# Altium PCB NC1-1A-BASIS.PcbDoc (part 2 of 2) (continued)
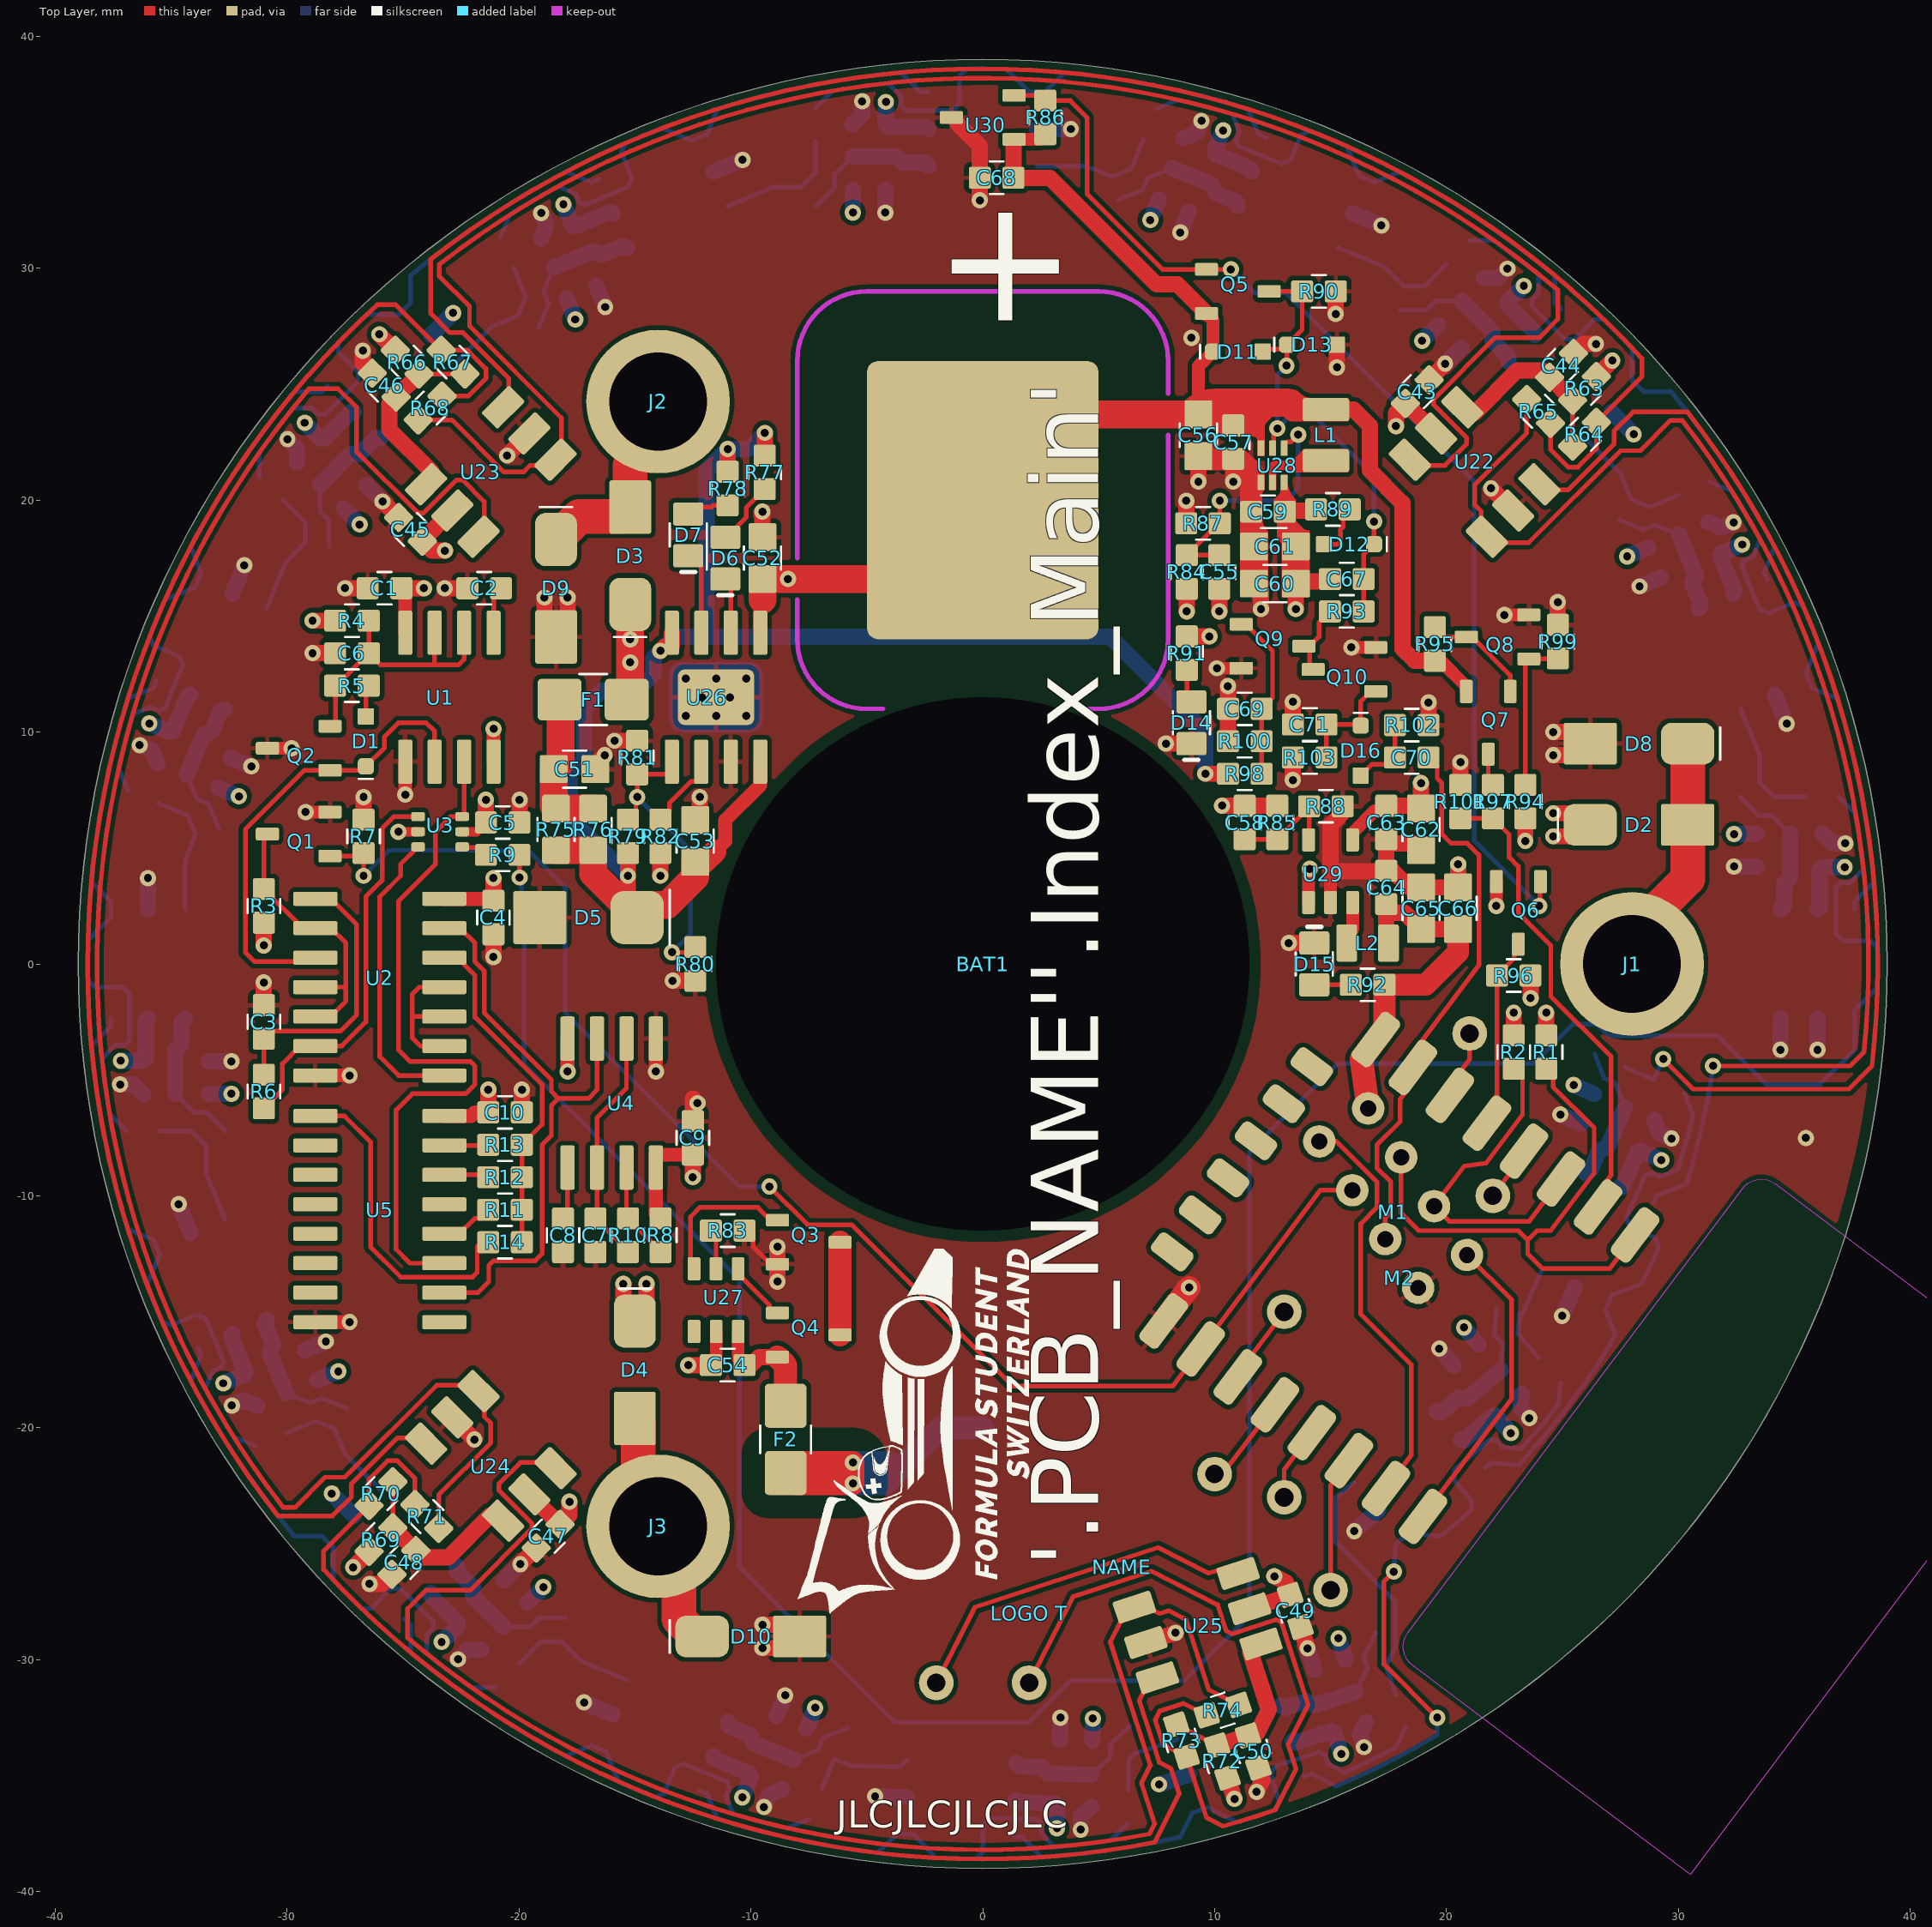
[diagram p0: Top Layer view]
## Nets (pads, with @x,y where several pads share a name; then routed paths per layer and width w, separated by ;. In a path a pad name is that pad's centre, name@x,y a point inside that pad or via, vN(x,y) a via of type N, cw(c..) or ccw(c..) an arc to the next point about the centre after c; other vN are vias at no path point) (continued)
D20: TP1.1 U25.3 | length 15.8
  Top Layer w0.2: TP1.1@-2,-31 -0.335,-27.733 7.565,-25.167 9.741,-26.276 10.507,-26.027 U25.3@11.011,-26.284
DATA: M1.3 M2.16 Q1.1@-28.15,4.65 R7.2 | length 62.5
  Top Layer w0.2: Q1.1@-28.15,4.65 -26.825,4.65 R7.2@-26.7,4.775 v1(-26.7,3.8) ; v1(-9.2,-9.6) -7.55,-11.25 -5.65,-11.25 1.3,-18.2 8.198,-18.2 M2.16@9.402,-16.601 14.56,-9.757 M1.3@15.937,-9.757
  Bottom Layer w0.2: v1(-26.7,3.8) -25.6,4.9 -19.6,4.9 -18,3.3 -18,-2.1 -10.5,-9.6 v1(-9.2,-9.6)
DATA_5V: Q1.3 R3.2 U2.2 U2.4 U2.5 | length 12.4
  Top Layer w0.2: Q1.3@-30.85,5.6 -31,5.45 R3.2@-31,3.225 -29.315,1.54 U2.2@-28.78,1.54 -28.1,1.54 -27.46,0.9 -27.46,-1 ; U2.5@-28.78,-2.27 -28.13,-2.27 -27.46,-1.6 -27.46,-1 ; U2.4@-28.78,-1 -27.46,-1
DATA_FAILSAFE: R9.2 R17.1 U6.4 | length 125.2
  Top Layer w0.2: v1(-19.975,3.725) R9.2@-19.975,4.7
  Bottom Layer w0.2: v1(-19.975,3.725) -19.879,3.629 -19.879,3.079 -19.775,2.975 -19.775,-4.325 -10.5,-13.6 -10.5,-26 -3.8,-32.7 2,-32.7 3.8,-30.9 8.7,-30.9 11.5,-28.1 11.5,-8.1 15.3,-4.3 23.75,-4.3 25.45,-2.6 26.5,-2.6 27,-3.1 31.7,-3.1 33.8,-5.2 36.1,-5.2 37.6,-3.7 U6.4@37.6,-2.35 37.6,-2 38.587,-1.013 ccw(c0,0) 38.594,0.706 38.3,1 37.1,1 36.8,1.3 36.8,3.3 37,3.5 37.4,3.5 37.981,4.081 ccw(c0,0) 37.647,6.478 R17.1@36.925,7.2
EN: C67.1 D11.2 D12.1 D13.1 Q5.3 R90.1 R93.1 U28.2 | length 21.5
  Top Layer w0.2: D11.2@12.075,26.4 12.175,26.5 12.925,26.5 D13.1@13.125,26.7 ; Q5.3@12.35,29 13.6,29 R90.1@13.775,29 13.775,27.35 D13.1@13.125,26.7 ; U28.2@12.5,22.24 12.55,22.29 12.55,22.8 12.707,22.958 v1(12.707,23.093) ; v1(13.1,25.8) 13.125,25.825 D13.1@13.125,26.7 ; R93.1@16.425,15.2 C67.1@16.425,16.6 16.425,17.65 D12.1@16.875,18.1 v1(16.875,19.075)
  Bottom Layer w0.2: v1(13.1,25.8) 12.707,25.407 v1(12.707,23.093) 13.414,23.8 14.1,23.8 16.875,21.025 v1(16.875,19.075)
ESP_EN: M1.6 M2.3 R2.2 | length 14.5
  Top Layer w0.2: R2.2@22.9,-4.525 23.28,-4.905 23.28,-6.498 21.707,-8.585 20.763,-8.718 M1.6@19.463,-10.443 20.12,-11.1 23.565,-11.1 M2.3@24.939,-9.277
ESP_RST: M1.7 M2.1 R1.2 | length 24.2
  Top Layer w0.2: M1.7@18.043,-8.337 18.043,-10.743 18.8,-11.5 23.1,-11.5 23.5,-11.9 ; R1.2@24.3,-4.525 24.6,-4.825 24.6,-5.3 26.366,-7.066 26.366,-9.017 24.496,-11.5 23.9,-11.5 23.5,-11.9 ; M2.1@28.134,-11.684 27.044,-13.13 24.13,-13.13 23.5,-12.5 23.5,-11.9
FS_ACT/: U1.3 U3.6 U5.11 | length 30.5
  Top Layer w0.2: U5.11@-23.22,-12.905 -24.7,-12.905 -25.3,-12.305 -25.3,-6.3 -24.6,-5.6 -22.3,-5.6 -21.9,-5.2 -21.9,-4.4 -22.1,-4.2 -24.7,-4.2 -25.2,-3.7 -25.2,2.7 -23.6,4.3 -23.6,5.7 -22.95,6.35 -22.365,6.35 U1.3@-22.365,8.72
FS_EDGE/: D1.1 Q2.1@-28.15,8.35 U1.2 U2.3 | length 20.4
  Top Layer w0.2: U2.3@-28.78,0.27 -28.95,0.1 -31.4,0.1 -31.8,0.5 -31.8,5.8 -29.25,8.35 Q2.1@-28.15,8.35 -26.775,8.35 D1.1@-26.6,8.525 -25.8,9.325 -25.8,9.8 -25.2,10.4 -24,10.4 -23.635,10.035 U1.2@-23.635,8.72
FS_PULSE: U2.13 U4.3 U5.10 | length 26.1
  Top Layer w0.2: U5.10@-23.22,-14.175 -21.775,-14.175 -21.3,-13.7 -21.3,-13 -21.1,-12.8 -19.3,-12.8 -19,-12.5 -19,-7.8 -18.6,-7.4 -18.6,-6.1 -18.3,-5.8 ; U2.13@-23.22,1.54 -22.54,1.54 -21.9,0.9 -21.9,0.1 -21.5,-0.3 -21.5,-2.1 -18.6,-5 -18.6,-5.5 -18.3,-5.8 ; U4.3@-16.635,-3.22 -16.635,-5.435 -17,-5.8 -18.3,-5.8
FS_RESET/: R11.2 R12.2 R13.2 R14.2 U2.12 | length 14.7
  Top Layer w0.2: U2.12@-23.22,0.27 -22.67,0.27 -21.9,-0.5 -21.9,-2.3 -19,-5.2 -19,-6.925 R13.2@-19.875,-7.8 R12.2@-19.875,-9.2 R11.2@-19.875,-10.6 R14.2@-19.875,-12
GND: C1.2 C2.2 C3.2 C4.2 C5.2 C6.2 C7.2 C8.2 C9.2 C10.2 C11.2 C12.2 C13.2 C14.2 C15.2 C16.2 C17.2 C18.2 C19.2 C20.2 C21.2 C22.2 C23.2 C24.2 C25.2 C26.2 C27.2 C28.2 C29.2 C30.2 C31.2 C32.2 C33.2 C34.2 C35.2 C36.2 C37.2 C38.2 C39.2 C40.2 C41.2 C42.2 C43.2 C44.2 C45.2 C46.2 C47.2 C48.2 C49.2 C50.2 C51.2 C52.2 C53.2 C56.2 C57.1 C59.1 C60.2 C61.2 C62.2 C63.1 C64.1 C65.2 C66.2 C68.2 C69.2 C71.2 D5.2 D8.2 D9.2 D10.2 D13.2 D14.1 D15.1 M1.1@18.778,-13.969 M2.15 Q1.2 Q2.3 Q3.2 Q8.2 Q9.2 Q10.2 R7.1 R80.2 R81.2 R82.2 R83.2 R87.1 R88.2 R90.2 R96.2 R99.2 R100.2 R101.2 R102.2 R103.2 U1.1@-24.905,8.72 U2.7 U3.2 U4.1@-14.095,-3.22 U5.8 U6.5 U6.6 U7.5 U8.5 U9.5 U10.5 U11.5 U12.5 U13.5 U14.5 U15.5 U16.5 U17.5 U18.5 U19.5 U20.5 U21.5 U22.5 U23.5 U24.5 U25.5 U26.3 U26.EP U28.4 U29.2 U30.3 | length 158.1
  Top Layer w0.2: R83.2@-10.275,-11.5 -9.9,-11.875 -9.9,-12.2 -9.15,-12.95 Q3.2@-8.85,-12.95
  Top Layer w0.4: v1(-25.2,5.7) U3.2@-24.35,5.7
  Top Layer w0.55: Q2.3@-30.85,9.3 v1(-29.8,9.3) ; v1(-29.2,6.55) Q1.2@-28.15,6.55 ; U30.3@-1.35,36.5 -1.05,36.2 ; v1(10.1,12.75) Q9.2@11.15,12.75 ; U29.2@15,2.65 15,4 ; v1(15.9,13.65) Q10.2@16.95,13.65 ; v1(22.5,15.05) Q8.2@23.55,15.05
  Top Layer w0.6: U5.8@-28.78,-15.445 v1(-27.3,-15.445) ; U2.7@-28.78,-4.81 v1(-27.3,-4.81) ; v1(-24.905,7.3) U1.1@-24.905,8.72 ; v1(-14.095,-4.64) U4.1@-14.095,-3.22
  Top Layer w0.7: C3.2@-31,-1.775 v1(-31,-0.8) ; v1(-28.9,13.4) C6.2@-27.925,13.4 ; v1(-27.5,16.2) C1.2@-26.525,16.2 ; v1(-26.729,26.446) -26.729,25.88 C46.2@-26.322,25.474 ; R7.1@-26.7,6.225 v1(-26.7,7.2) ; v1(-26.446,-26.729) -25.88,-26.729 C48.2@-25.474,-26.322 ; v1(-25.88,19.94) C45.2@-25.191,19.251 ; v1(-23.2,16.2) C2.2@-22.225,16.2 ; U24.5@-22.875,-19.552 v1(-21.92,-20.506) ; v1(-21.1,0.3) C4.2@-21.1,1.275 ; v1(-20.506,21.92) U23.5@-19.552,22.875 ; C5.2@-19.975,6.1 v1(-19.975,7.075) ; v1(-19.94,-25.88) C47.2@-19.251,-25.191 ; C10.2@-19.875,-6.4 v1(-19.875,-5.425) ; v1(-18.9,15.8) -18.9,14.6 D9.2@-18.4,14.1 -17.9,14.6 v1(-17.9,15.8) ; C51.2@-16.7,8.4 -16.627,8.473 -16.627,8.673 v1(-16.3,9) ; v1(-15.875,9.625) R81.2@-14.9,9.625 ; v1(-13.9,3.8) R82.2@-13.9,4.775 ; v1(-13.375,-0.725) R80.2@-12.4,-0.725 ; v2(-12.8,10.7) U26.EP@-12,11.5 ; v2(-12.8,12.3) U26.EP@-12,11.5 ; C9.2@-12.5,-6.775 v1@-12.5,-5.8 ; C53.2@-12.4,6.2 -12.2,6.4 v1(-12.2,7.2) ; v2(-11.5,10.7) U26.EP@-11.5,11.5 ; v2(-11.5,12.3) U26.EP@-11.5,11.5 ; v2(-10.2,10.7) U26.EP@-11,11.5 ; v2(-10.2,12.3) U26.EP@-11,11.5 ; v1(-9.5,-29.5) -8.4,-29.5 D10.2@-7.9,-29 -8.4,-28.5 v1(-9.5,-28.5) ; C52.2@-9.5,18.4 v1(-9.5,19.5) ; v1(-8.85,-13.7) Q3.2@-8.85,-12.95 v1(-8.85,-12.2) ; -1.05,36.2 -0.125,35.275 C68.2@-0.125,33.9 v1(-0.125,32.925) ; U25.5@7.036,-29.258 v1(8.319,-28.841) ; v1(7.9,9.5) D14.1@9,9.5 ; R87.1@8.775,19 v1(8.775,19.975) ; v1(9.3,20.8) C56.2@9.3,21.9 ; R100.2@10.575,9.6 C69.2@10.575,11 v1(10.575,11.975) ; v1(10.8,20.8) C57.1@10.8,21.775 ; C61.2@11.7,18 C60.2@11.7,16.4 12,16.1 v1(12,15.3) ; v1(11.809,-35.698) 12.066,-35.194 C50.2@11.888,-34.647 ; v1(13.2,0.9) D15.1@14.3,0.9 ; v1(13.375,7.925) R103.2@13.375,8.9 ; C71.2@13.375,10.325 v1(13.375,11.3) ; C49.2@13.705,-28.589 v1(14.007,-29.516) ; v1(15.225,28.025) R90.2@15.225,29 ; v1(15.275,25.725) D13.2@15.275,26.7 ; R88.2@15.525,6.8 15.525,6.525 15,6 15,4 C64.1@17.375,4 ; C62.2@18.9,4.9 18.6,5.2 17.575,5.2 C63.1@17.4,5.375 C64.1@17.4,4.025 17.675,4.025 18.4,3.3 C65.2@18.9,3.3 C66.2@20.5,3.3 v1(20.5,4.3) ; R102.2@19.225,10.3 v1(19.225,11.275) ; C43.2@19.251,25.191 v1(19.94,25.88) ; R101.2@20.6,7.725 v1(20.6,8.7) ; v1(21.92,20.506) U22.5@22.875,19.552 ; v1(23.625,-1.475) R96.2@23.625,-0.5 ; v1(24.6,9) 25.7,9 D8.2@26.2,9.5 25.7,10 v1(24.6,10) ; R99.2@24.8,14.625 v1(24.8,15.6) ; C44.2@25.474,26.322 25.88,26.729 v1(26.446,26.729) ; U26.EP@-12,11.5 U26.EP@-11.5,11.5 ; U26.EP@-11.5,11.5 U26.EP@-11,11.5
  Top Layer w1: M2.15@7.805,-15.398 v1(8.895,-13.952)
  Bottom Layer w0.7: v1(-37.2,-5.2) -36.625,-5.2 C27.2@-36.2,-5.625 ; v1(-36.358,9.432) -35.827,9.212 C25.2@-35.597,8.656 ; U14.5@-36,2.35 v1(-36,3.7) ; v1(-34.676,-10.358) U15.5@-34.159,-11.605 ; C28.2@-33.375,-4.2 v1(-32.4,-4.2) ; C26.2@-32.442,8.892 v1(-31.541,8.519) ; v1(-32.378,-19.04) -31.847,-18.82 C29.2@-31.292,-19.05 ; U13.5@-32.36,15.948 v1(-31.844,17.195) ; v1(-29.981,22.627) -29.575,22.221 C23.2@-29.575,21.62 ; C30.2@-29.227,-16.652 v1(-28.326,-16.279) ; v1(-28.072,-22.84) U16.5@-27.118,-23.794 ; C24.2@-26.57,20.63 v1(-25.88,19.94) ; U12.5@-23.794,27.118 v1(-22.84,28.072) ; v1(-22.627,-29.981) -22.221,-29.575 C31.2@-21.62,-29.575 ; C32.2@-20.63,-26.57 v1(-19.94,-25.88) ; C21.2@-19.05,31.292 -18.82,31.847 v1(-19.04,32.378) ; v1(-17.195,-31.844) U17.5@-15.948,-32.36 ; C22.2@-16.652,29.227 v1(-16.279,28.326) ; U11.5@-11.605,34.159 v1(-10.358,34.676) ; v1(-9.432,-36.358) -9.212,-35.827 C33.2@-8.656,-35.597 ; C34.2@-8.892,-32.442 v1(-8.519,-31.541) ; C19.2@-5.625,36.2 -5.2,36.625 v1(-5.2,37.2) ; v1(-4.641,-35.891) U18.5@-3.292,-35.926 ; v1(-4.2,32.4) C20.2@-4.2,33.375 ; U10.5@2.35,36 v1(3.8,36) ; C36.2@3.325,-33.474 v1(3.35,-32.499) ; v1(4.224,-37.323) 4.239,-36.749 C35.2@4.675,-36.335 ; v1(7.606,-35.381) U19.5@8.89,-34.964 ; v1(8.519,31.541) C18.2@8.892,32.442 ; C17.2@8.656,35.597 9.212,35.827 v1(9.432,36.358) ; v1(14.007,-29.516) C38.2@14.308,-30.444 ; U9.5@15.948,32.36 v1(17.195,31.844) ; v1(16.02,-24.455) U20.5@17.047,-23.578 ; v1(16.441,-33.772) 16.263,-33.226 C37.2@16.536,-32.69 ; v1(19.69,-16.587) C40.2@20.323,-17.328 ; v1(19.94,25.88) C16.2@20.63,26.57 ; C15.2@21.62,29.575 22.221,29.575 v1(22.627,29.981) ; C39.2@23.241,-18.551 23.194,-19.15 v1(23.567,-19.587) ; v1(24.912,-6.494) C42.2@25.803,-6.891 ; v1(24.988,-15.175) U21.5@25.537,-13.942 ; U8.5@27.118,23.794 v1(28.072,22.84) ; v1(28.326,16.279) C14.2@29.227,16.652 ; C41.2@28.963,-6.738 29.179,-7.299 v1(29.704,-7.533) ; C13.2@31.292,19.05 31.847,18.82 v1(32.378,19.04) ; v1(32.4,4.2) C12.2@33.375,4.2 ; U7.5@34.159,11.605 v1(34.676,10.358) ; v1(34.4,-3.7) U6.6@34.4,-2.35 ; v1(36,-3.7) U6.5@36,-2.35 ; C11.2@36.2,5.625 36.625,5.2 v1(37.2,5.2)
  other v1: 35.5,-7.5 -12.3,-6 9,27
  other v2: -12.1,11.5 -10.9,11.5
GPIO0: M2.18 TP3.1 | length 4.1
  Top Layer w0.2: TP3.1@10,-22 10.383,-21.946 M2.18@12.597,-19.009
GPIO2: M2.17 TP4.1 | length 3.5
  Top Layer w0.2: M2.17@11,-17.805 10.982,-17.678 TP4.1@13,-15
GPIO4: M2.19 TP5.1 | length 3.2
  Top Layer w0.2: TP5.1@13,-23 13,-21.797 M2.19@14.194,-20.212
GPIO5: M2.20 TP6.1 | length 5.8
  Top Layer w0.2: TP6.1@15,-27 15,-22.466 M2.20@15.791,-21.416
GPIO14: M2.6 TP9.1 | length 3
  Top Layer w0.2: M2.6@20.147,-5.666 20.098,-5.316 21,-4.119 TP9.1@21,-3
GPIO16: M2.4 TP10.1 | length 2.4
  Top Layer w0.2: TP10.1@22,-10 23.359,-8.196 M2.4@23.342,-8.073
HALL: M2.5 Q6.3 R96.1 | length 8.3
  Top Layer w0.2: M2.5@21.744,-6.869 21.668,-6.323 22.175,-5.65 R96.1@22.175,-0.5 22.925,0.25 22.925,0.675 Q6.3@23.1,0.85
KILL: C70.1 M1.2 M2.7 | length 24
  Top Layer w0.2: M1.2@17.357,-11.863 17.357,-10.943 17.6,-10.7 17.6,-9.4 17,-8.8 17,-7.8 18,-6.8 18,-5.827 18.625,-4.997 M2.7@18.55,-4.462 18.475,-3.931 21.4,-0.05 21.4,4.7 20.9,5.2 20.2,5.2 19.8,5.6 19.8,7.8 19.6,8 19.6,8.525 C70.1@19.225,8.9
NetC2_1: C2.1 U1.5 | length 2.1
  Top Layer w0.2: U1.5@-21.095,14.28 -21.095,15.88 C2.1@-20.775,16.2
NetC3_1: C3.1 R6.2 U2.1@-28.78,2.81 | length 12.1
  Top Layer w0.2: R6.2@-31,-4.775 C3.1@-31,-3.225 -30.675,-2.9 -27.7,-2.9 -27,-2.2 -27,1.7 -28.11,2.81 U2.1@-28.78,2.81
NetC6_1: C6.1 Q2.2 R4.2 R5.2 U1.6 U1.7 | length 12.3
  Top Layer w0.2: Q2.2@-28.15,10.25 -28.088,10.25 -27.913,10.425 -27.913,11.988 R5.2@-27.925,12 ; R5.2@-27.925,11.95 C6.1@-26.475,13.4 ; R4.2@-26.475,14.8 C6.1@-26.475,13.4 ; U1.7@-23.635,14.28 -23.635,12.9 ; U1.6@-22.365,14.28 -22.365,13.135 -22.6,12.9 -23.635,12.9 ; C6.1@-26.475,13.4 -25.975,12.9 -23.635,12.9
NetC7_1: C7.1 R10.2 U4.2 U4.6 | length 10.3
  Top Layer w0.2: U4.2@-15.365,-3.22 -15.365,-5.365 -16.635,-6.635 U4.6@-16.635,-8.78 -16.635,-10.91 C7.1@-16.7,-10.975 -15.3,-12.375 R10.2@-15.3,-12.425
NetC8_1: C8.1 U4.5 | length 2.3
  Top Layer w0.2: C8.1@-18.1,-10.975 -17.905,-10.78 U4.5@-17.905,-8.78
NetC12_1: C12.1 R15.2 R16.1 U6.1@34.4,2.35 | length 6.2
  Bottom Layer w0.2: R16.1@32.675,7.2 33.475,6.4 34.025,6.4 R15.2@34.825,5.6
  Bottom Layer w0.7: U6.1@34.4,2.35 34.55,2.5 34.55,3.45 34.825,3.725 R15.2@34.825,5.6
NetC14_1: C14.1 R18.2 R19.1 U7.1@30.882,15.335 | length 6.2
  Bottom Layer w0.2: R19.1@27.432,19.156 28.478,18.723 28.986,18.934 R18.2@30.031,18.501
  Bottom Layer w0.7: R18.2@30.031,18.501 30.749,16.768 30.6,16.409 30.963,15.531 U7.1@30.882,15.335
NetC16_1: C16.1 R21.2 R22.1 U8.1@22.663,25.986 | length 6.2
  Bottom Layer w0.2: R22.1@18.014,28.196 19.145,28.196 19.534,28.585 R21.2@20.665,28.585
  Bottom Layer w0.7: R21.2@20.665,28.585 21.991,27.259 21.991,26.87 22.663,26.198 U8.1@22.663,25.986
NetC18_1: C18.1 R24.2 R25.1 U9.1@10.993,32.681 | length 6.2
  Bottom Layer w0.2: R25.1@5.852,32.943 6.898,33.376 7.108,33.884 R24.2@8.153,34.317
  Bottom Layer w0.7: R24.2@8.153,34.317 9.885,33.6 10.034,33.24 10.912,32.877 U9.1@10.993,32.681
NetC20_1: C20.1 R27.2 R28.1 U10.1@-2.35,34.4 | length 6.2
  Bottom Layer w0.2: R28.1@-7.2,32.675 -6.4,33.475 -6.4,34.025 R27.2@-5.6,34.825
  Bottom Layer w0.7: R27.2@-5.6,34.825 -3.725,34.825 -3.45,34.55 -2.5,34.55 U10.1@-2.35,34.4
NetC22_1: C22.1 R30.2 R31.1 U11.1@-15.335,30.882 | length 6.2
  Bottom Layer w0.2: R31.1@-19.156,27.432 -18.723,28.478 -18.934,28.986 R30.2@-18.501,30.031
  Bottom Layer w0.7: R30.2@-18.501,30.031 -16.768,30.749 -16.409,30.6 -15.531,30.963 U11.1@-15.335,30.882
NetC24_1: C24.1 R33.2 R34.1 U12.1@-25.986,22.663 | length 6.2
  Bottom Layer w0.2: R33.2@-28.585,20.665 -28.585,19.534 -28.196,19.145 R34.1@-28.196,18.014
  Bottom Layer w0.7: R33.2@-28.585,20.665 -27.259,21.991 -26.87,21.991 -26.198,22.663 U12.1@-25.986,22.663
NetC26_1: C26.1 R36.2 R37.1 U13.1@-32.681,10.993 | length 6.2
  Bottom Layer w0.2: R36.2@-34.317,8.153 -33.884,7.108 -33.376,6.898 R37.1@-32.943,5.852
  Bottom Layer w0.7: R36.2@-34.317,8.153 -33.6,9.885 -33.24,10.034 -32.877,10.912 U13.1@-32.681,10.993
NetC28_1: C28.1 R39.2 R40.1 U14.1@-34.4,-2.35 | length 6.2
  Bottom Layer w0.2: R39.2@-34.825,-5.6 -34.025,-6.4 -33.475,-6.4 R40.1@-32.675,-7.2
  Bottom Layer w0.7: R39.2@-34.825,-5.6 -34.825,-3.725 -34.55,-3.45 -34.55,-2.5 U14.1@-34.4,-2.35
NetC30_1: C30.1 R42.2 R43.1 U15.1@-30.882,-15.335 | length 6.2
  Bottom Layer w0.2: R42.2@-30.031,-18.501 -28.986,-18.934 -28.478,-18.723 R43.1@-27.432,-19.156
  Bottom Layer w0.7: U15.1@-30.882,-15.335 -30.963,-15.531 -30.6,-16.409 -30.749,-16.768 R42.2@-30.031,-18.501
NetC32_1: C32.1 R45.2 R46.1 U16.1@-22.663,-25.986 | length 6.2
  Bottom Layer w0.2: R45.2@-20.665,-28.585 -19.534,-28.585 -19.145,-28.196 R46.1@-18.014,-28.196
  Bottom Layer w0.7: U16.1@-22.663,-25.986 -22.663,-26.198 -21.991,-26.87 -21.991,-27.259 R45.2@-20.665,-28.585
NetC34_1: C34.1 R48.2 R49.1 U17.1@-10.993,-32.681 | length 6.2
  Bottom Layer w0.2: R48.2@-8.153,-34.317 -7.108,-33.884 -6.898,-33.376 R49.1@-5.852,-32.943
  Bottom Layer w0.7: U17.1@-10.993,-32.681 -10.912,-32.877 -10.034,-33.24 -9.885,-33.6 R48.2@-8.153,-34.317
NetC36_1: C36.1 R51.2 R52.1 U18.1@1.449,-34.45 | length 6.2
  Bottom Layer w0.2: R51.2@4.686,-34.96 5.507,-34.181 5.522,-33.631 R52.1@6.342,-32.852
  Bottom Layer w0.7: U18.1@1.449,-34.45 1.595,-34.604 2.544,-34.628 2.812,-34.911 R51.2@4.686,-34.96
NetC38_1: C38.1 R54.2 R55.1 U19.1@12.865,-31.99 | length 6.2
  Bottom Layer w0.2: R54.2@16.087,-31.39 16.601,-30.382 16.431,-29.859 R55.1@16.945,-28.851
  Bottom Layer w0.7: U19.1@12.865,-31.99 13.054,-32.086 13.958,-31.793 14.304,-31.969 R54.2@16.087,-31.39
NetC40_1: C40.1 R57.2 R58.1 U20.1@19.582,-19.309 | length 6.2
  Bottom Layer w0.2: R58.1@22.15,-14.847 22.061,-15.975 22.418,-16.394 R57.2@22.329,-17.521
  Bottom Layer w0.7: U20.1@19.582,-19.309 19.793,-19.326 20.516,-18.709 20.903,-18.739 C40.1@21.265,-18.431 R57.2@22.329,-17.521
NetC42_1: C42.1 R60.2 R61.1 U21.1@25.987,-8.998 | length 6.2
  Bottom Layer w0.2: R61.1@26.384,-3.865 26.789,-4.922 27.292,-5.145 R60.2@27.697,-6.202
  Bottom Layer w0.7: U21.1@25.987,-8.998 26.185,-8.922 26.571,-8.054 26.935,-7.914 R60.2@27.697,-6.202
NetC44_1: C44.1 R63.2 R64.1 U22.1@20.683,24.006 | length 8.1
  Top Layer w0.2: R64.1@25.438,22.327 25.438,22.857 R63.2@25.438,24.307
  Top Layer w0.7: U22.1@20.683,24.006 20.93,23.759 21.213,23.759 23.052,25.597 24.148,25.597 C44.1@24.448,25.297 R63.2@25.438,24.307
NetC46_1: C46.1 R66.2 R67.1 U23.1@-24.006,20.683 | length 8.1
  Top Layer w0.2: R66.2@-24.307,25.438 -22.857,25.438 R67.1@-22.327,25.438
  Top Layer w0.7: R66.2@-24.307,25.438 C46.1@-25.297,24.448 -25.597,24.148 -25.597,23.052 -23.759,21.213 -23.759,20.93 U23.1@-24.006,20.683
NetC48_1: C48.1 R69.2 R70.1 U24.1@-20.683,-24.006 | length 8.1
  Top Layer w0.2: R69.2@-25.438,-24.307 -25.438,-22.857 R70.1@-25.438,-22.327
  Top Layer w0.7: R69.2@-25.438,-24.307 C48.1@-24.448,-25.297 -24.148,-25.597 -23.052,-25.597 -21.213,-23.759 -20.93,-23.759 U24.1@-20.683,-24.006
NetC50_1: C50.1 R72.2 R73.1 U25.1@12,-29.327 | length 8.1
  Top Layer w0.2: R73.1@8.345,-32.802 8.817,-33.043 R72.2@10.109,-33.701
  Top Layer w0.7: R72.2@10.109,-33.701 C50.1@11.44,-33.268 11.845,-33.137 12.342,-32.16 11.539,-29.687 11.667,-29.435 U25.1@12,-29.327
NetC51_1: C51.1 F1.2 R75.1 R76.1 | length 6.5
  Top Layer w1.2: F1.2@-18.25,11.4 -18.25,11.15 -18.2,11.1 -18.2,8.7 C51.1@-18.5,8.4 -18.5,6.8 R75.1@-18.4,6.7 R76.1@-16.8,6.7
NetC69_1: C69.1 Q9.1@11.15,14.65 R98.2 R100.1 | length 7.3
  Top Layer w0.2: Q9.1@11.15,14.65 11.35,14.65 12.5,13.5 12.5,11.475 C69.1@12.025,11 R100.1@12.025,9.6 R98.2@12.025,8.2
NetC70_2: C70.2 D16.2 R102.1 | length 3.2
  Top Layer w0.2: D16.2@16.3,8.125 16.775,8.6 17.475,8.6 C70.2@17.775,8.9 R102.1@17.775,10.3
NetC71_1: C71.1 D16.1 Q10.1@16.95,11.75 R103.1 | length 4.8
  Top Layer w0.2: R103.1@14.825,8.9 C71.1@14.825,10.325 16.25,10.325 D16.1@16.3,10.275 16.3,11.325 16.725,11.75 Q10.1@16.95,11.75
NetD1_2: D1.2 R5.1 | length 1.4
  Top Layer w0.2: D1.2@-26.6,10.675 -26.6,11.875 R5.1@-26.475,12
NetD2_1: D2.1 D3.1 D4.1 F1.1 | length 96.1
  Top Layer w0.7: v1(-15.5,-13.8) -15.5,-14.9 D4.1@-15,-15.4 -14.5,-14.9 v1(-14.5,-13.8) ; v1(24.6,5.5) 25.7,5.5 D2.1@26.2,6 25.7,6.5 v1(24.6,6.5)
  Top Layer w1.2: F1.1@-15.35,11.4 -15.2,11.55 v1(-15.2,13) v1(-15.2,14) D3.1@-15.2,15.5
  Mid 2 (PWR) w1.2: v1(-15.5,-13.8) v1(-14.5,-13.8) -10.7,-10 -10.7,-7.803 -11.403,-7.1 -12.756,-7.1 -13.4,-6.456 -13.4,-5.501 -12.995,-5.096 -12.995,-3.705 -17.9,1.2 -17.9,10.3 v1(-15.2,13) v1@-15.2,13.897 ; v1(-15.2,14) -14.6,14.6 5,14.6 12.9,6.7 12.9,3.6 13.6,2.9 15.3,2.9 18.9,6.5 v1(24.6,6.5) v1(24.6,5.5)
NetD6_2: D6.2 R77.2 | length 2.8
  Top Layer w0.2: D6.2@-11.1,18.4 -11.05,18.4 -10.2,19.25 -10.2,19.675 R77.2@-9.4,20.475
NetD7_2: D7.2 R78.2 | length 1.9
  Top Layer w0.2: D7.2@-12.7,19.4 -12.4,19.7 -11.7,19.7 -11.625,19.775 R78.2@-11,19.775
NetD12_2: D12.2 R89.1 | length 2.3
  Top Layer w0.2: D12.2@14.725,18.1 15.308,18.1 15.425,18.217 15.425,18.725 15.55,18.85 15.55,19.325 R89.1@15.825,19.6
NetD14_2: D14.2 R91.2 | length 1.5
  Top Layer w0.2: R91.2@8.8,12.675 8.815,12.66 8.815,11.515 8.8,11.5 D14.2@9,11.3
NetD15_2: D15.2 R92.2 | length 1.6
  Top Layer w0.2: D15.2@14.3,-0.9 R92.2@15.875,-0.9
NetQ3_3: Q3.3 Q4.3 | length 4
  Top Layer w1: Q4.3@-6.15,-16 Q3.3@-6.15,-12
NetQ5_1: Q5.1@9.65,29.95 Q6.1@24.05,3.55 R86.2 U30.2 | length 49.2
  Top Layer w0.2: U30.2@1.35,37.45 2.475,37.45 R86.2@2.7,37.225 3.775,37.225 4.5,36.5 4.5,33.2 7.75,29.95 Q5.1@9.65,29.95 v1(10.7,29.95) ; v1(24,2.5) 24.025,2.525 24.025,3.525 Q6.1@24.05,3.55
  Bottom Layer w0.2: v1(10.7,29.95) 11.7,28.95 13.05,28.95 21.2,20.8 21.2,5.3 v1(24,2.5)
NetQ7_1: Q7.1@22.75,11.75 Q8.3 R95.2 | length 4.8
  Top Layer w0.2: R95.2@19.5,14.525 19.925,14.1 Q8.3@20.85,14.1 21.1,14.1 22.75,12.45 Q7.1@22.75,11.75
NetQ7_3: Q7.3 R97.1 | length 1.4
  Top Layer w0.2: Q7.3@21.8,9.05 21.8,7.925 R97.1@22,7.725
NetQ8_1: Q8.1@23.55,13.15 R94.2 R99.1 | length 6.7
  Top Layer w0.2: R94.2@23.4,7.725 23.4,13 Q8.1@23.55,13.15 24.775,13.15 R99.1@24.8,13.175
NetQ9_3: Q9.3 Q10.3 R93.2 | length 3.3
  Top Layer w0.2: Q10.3@14.25,12.7 14.1,12.85 14.1,13.45 Q9.3@13.85,13.7 14.1,13.7 14.5,14.1 14.5,14.725 R93.2@14.975,15.2
NetR6_1: R6.1 U2.6 U3.1@-24.35,6.35 | length 17
  Top Layer w0.2: R6.1@-31,-6.225 -30.2,-5.425 -30.2,-4.3 -29.44,-3.54 U2.6@-28.78,-3.54 -27.64,-3.54 -26.6,-2.5 -26.6,2.9 -25.9,3.6 -25.9,5.849 -25.399,6.35 U3.1@-24.35,6.35
NetR8_2: R8.2 R10.1 U4.7 | length 4.3
  Top Layer w0.2: U4.7@-15.365,-8.78 -15.365,-10.91 R10.1@-15.3,-10.975 -13.9,-12.375 R8.2@-13.9,-12.425
NetR9_1: R9.1 U3.4 | length 1.2
  Top Layer w0.2: U3.4@-22.45,5.05 -22.415,5.015 -21.74,5.015 R9.1@-21.425,4.7
NetR11_1: R11.1 U5.12 | length 2.3
  Top Layer w0.2: U5.12@-23.22,-11.635 -22.57,-11.635 -21.91,-10.975 -21.7,-10.975 R11.1@-21.325,-10.6
NetR12_1: R12.1 U5.14 | length 1.9
  Top Layer w0.2: U5.14@-23.22,-9.095 -21.43,-9.095 R12.1@-21.325,-9.2
NetR13_1: R13.1 U5.15 | length 1.9
  Top Layer w0.2: U5.15@-23.22,-7.825 -21.35,-7.825 R13.1@-21.325,-7.8
NetR14_1: R14.1 U5.1@-28.78,-6.555 | length 14.3
  Top Layer w0.2: U5.1@-28.78,-6.555 -27.525,-6.555 -26.4,-7.68 -26.4,-12.2 -25.1,-13.5 -22,-13.5 -21.8,-13.3 -21.8,-12.175 -21.5,-12.175 R14.1@-21.325,-12
NetU2_8: U2.8 U3.3 | length 12.8
  Top Layer w0.2: U3.3@-24.35,5.05 -25.1,4.3 -25.1,3.8 -26,2.9 -26,-4 -25.19,-4.81 U2.8@-23.22,-4.81
NetU2_9: U2.9 U2.10 U2.11 | length 6.3
  Top Layer w0.2: U2.9@-23.22,-3.54 -24.26,-3.54 -24.6,-3.2 -24.6,-2.27 ; U2.10@-23.22,-2.27 -24.6,-2.27 ; U2.11@-23.22,-1 -24.3,-1 -24.6,-1.3 -24.6,-2.27
RXD: M1.4 M2.21 | length 18
  Top Layer w0.2: M1.4@14.517,-7.652 15.252,-7.652 17,-9.4 17,-10.5 16.3,-11.2 16.3,-15.1 18.478,-17.278 18.478,-21.174 M2.21@17.389,-22.62
TXD: M1.5 M2.22 | length 13.3
  Top Layer w0.2: M2.22@18.986,-23.823 22.8,-18.762 22.8,-14.465 M1.5@20.883,-12.548
VBAT_MON: M2.2 R97.2 R101.1 | length 20.5
  Top Layer w0.2: R101.1@20.6,6.275 R97.2@22,6.275 22.7,5.575 22.7,4.6 23.1,4.2 23.1,2.2 24.5,0.8 24.5,-1.4 27.1,-4 27.1,-9.1 26.461,-9.947 M2.2@26.536,-10.48
pads on no net: BAT1.M15 M1.1@18.088,-15.146 M2.9 M2.10 M2.11 M2.12 M2.13 M2.14 Q1.1@-27.9,4 Q2.1@-27.9,7.7 Q3.1@-9.1,-10.4 Q4.1@-9.1,-14.4 Q5.1@9.4,30.6 Q6.1@24.7,3.8 Q7.1@23.4,12 Q8.1@23.8,12.5 Q9.1@10.9,15.3 Q10.1@17.2,11.1 U1.1@-25.7,9 U2.1@-28.5,3.605 U3.1@-24.3,6.9 U4.1@-13.3,-3.5 U5.1@-28.5,-5.76 U5.2 U5.3 U5.4 U5.5 U5.6 U5.7 U5.9 U5.13 U6.1@33.3,2.5 U7.1@29.808,15.053 U8.1@21.779,25.314 U9.1@10.434,31.722 U10.1@-2.5,33.3 U11.1@-15.053,29.808 U12.1@-25.314,21.779 U13.1@-31.722,10.434 U14.1@-33.3,-2.5 U15.1@-29.808,-15.053 U16.1@-21.779,-25.314 U17.1@-10.434,-31.722 U18.1@1.627,-33.354 U19.1@12.668,-30.898 U20.1@18.982,-18.375 U21.1@25.043,-8.413 U22.1@21.355,24.89 U23.1@-24.89,21.355 U24.1@-21.355,-24.89 U25.1@12.482,-30.327 U26.1@-14.2,9 U27.1@-9.9,-12.9 U27.4 U28.1@13.4,22.2 U29.1@13.4,2.4 U30.1@1.6,34.9

## Polygon pours and split planes (outlines as drawn)
+5V2 on Mid 2 (PWR) "+5V2_L03_P018" (solid, remove dead copper, pour order 18): 0,38.5 ccw(c0,0) -38.5,0 ccw(c0,0) 0,-38.5 ccw(c0,0) 38.5,0 ccw(c0,0)
+3V3 on Mid 2 (PWR) "+3V3_L03_P011" (solid, remove dead copper, pour order 11): 8.485,-8.485 11,-11 18,-11 24.7,-4.3 24.7,6.3 24,7 23,7 22,6 14,6 10,10 8.485,8.485 cw(c0,0)
GND on Bottom Layer "GND_L04_P019" (solid, remove dead copper, pour order 19): 0,38.5 ccw(c0,0) -38.5,0 ccw(c0,0) 0,-38.5 ccw(c0,0) 38.5,0 ccw(c0,0)
GND on Bottom Layer "GND_L04_P015" (solid, remove dead copper, pour order 15): 38.5,0 ccw(c0,0) 0,38.5 ccw(c0,0) -38.5,0 ccw(c0,0) 0,-38.5 ccw(c0,0) 38.5,0 12,0 cw(c0,0) 0,-12 cw(c0,0) -12,0 cw(c0,0) 0,12 cw(c0,0) 12,0
GND on Mid 1 (GND) "GND_L02_P014" (solid, remove dead copper, pour order 14): 0,38.5 ccw(c0,0) -38.5,0 ccw(c0,0) 0,-38.5 ccw(c0,0) 38.5,0 ccw(c0,0)
GND on Top Layer "GND_L01_P017" (solid, remove dead copper, pour order 17): 0,38.5 ccw(c0,0) -38.5,0 ccw(c0,0) 0,-38.5 ccw(c0,0) 38.5,0 ccw(c0,0)

## Keep-outs
Top Layer:
  lines w0.2: -8,15.7 -8,14 ccw(c-5,14) -5,11 -4.3,11 ; -8,17.5 -8,26 cw(c-5,26) -5,29 5,29 cw(c5,26) 8,26 8,24.6 ; 4.3,11 5,11 ccw(c5,14) 8,14 8,22.8
Bottom Layer:
  lines w0.2: -4.3,-11 -5,-11 ccw(c-5,-14) -8,-14 -8,-26 ccw(c-5,-26) -5,-29 5,-29 ccw(c5,-26) 8,-26 8,-14 ccw(c5,-14) 5,-11 4.3,-11

## Other copper
Top Layer:
  pour cut-out: 0,12 ccw(c0,0) -12,0 ccw(c0,0) 0,-12 ccw(c0,0) 12,0 ccw(c0,0)
  region net +VBAT: 8.7,24.24 8.7,23.16 ccw(c8.76,23.16) 8.76,23.1 9.575,23.1 cw(c9.575,22) 10.353,22.778 ccw(c10.42,22.845) 10.42,22.75 11.638,22.75 cw(c11.638,22.537) 11.85,22.537 11.85,21.943 ccw(c11.888,21.943) 11.888,21.905 12.113,21.905 ccw(c12.113,21.943) 12.15,21.943 12.15,23.1 cw(c12.7,23.1) 12.7,23.65 12.738,23.65 cw(c12.738,23.138) 13.1,23.5 ccw(c13.341,23.741) 13.341,23.4 15.7,23.4 ccw(c15.7,23.5) 15.8,23.5 15.8,24.3 ccw(c15.7,24.3) 15.7,24.4 14.183,24.4 cw(c14.183,25.083) 13.7,24.6 ccw(c13.217,24.117) 13.217,24.8 9.967,24.8 ccw(c9.967,23.033) 8.718,24.282 ccw(c8.76,24.24) 8.7,24.24
  region net +5V2: 12.85,21.057 cw(c12.887,21.057) 12.888,21.095 13.112,21.095 cw(c13.112,21.058) 13.15,21.057 13.15,20.825 ccw(c14.25,20.825) 13.472,20.047 cw(c13.405,19.98) 13.5,19.98 13.5,19.22 ccw(c13.79,19.22) 13.585,19.015 13.801,18.799 ccw(c14.04,19.038) 14.04,18.7 cw(c14.04,18.64) 14.1,18.64 14.1,15.86 cw(c14.04,15.86) 14.04,15.8 12.96,15.8 cw(c12.96,15.86) 12.9,15.86 12.9,18.375 ccw(c11.8,18.375) 12.578,19.153 cw(c12.645,19.22) 12.55,19.22 12.55,19.98 cw(c12.645,19.98) 12.578,20.047 12.793,20.262 ccw(c12.655,20.4) 12.85,20.4
  region net 5V2_SW: 12.35,20.462 ccw(c12.388,20.462) 12.388,20.425 12.612,20.425 ccw(c12.612,20.462) 12.65,20.462 12.65,21.15 cw(c12.8,21.15) 12.8,21.3 13.204,21.3 cw(c13.204,21.129) 13.325,21.25 ccw(c13.446,21.371) 13.446,21.2 15.7,21.2 ccw(c15.7,21.3) 15.8,21.3 15.8,22.1 ccw(c15.7,22.1) 15.7,22.2 13.9,22.2 ccw(c13.9,22.1) 13.829,22.171 13.541,21.883 cw(c13.1,22.324) 13.1,21.7 12.641,21.7 ccw(c12.641,21.359) 12.4,21.6 ccw(c12.521,21.479) 12.35,21.479
  region net GND: 8.7,22.44 cw(c8.76,22.44) 8.76,22.5 9.84,22.5 cw(c9.84,22.44) 9.882,22.482 9.899,22.466 ccw(c10.42,22.987) 10.42,22.25 11.18,22.25 cw(c11.18,22.155) 11.247,22.222 11.965,21.505 cw(c11.518,21.058) 12.15,21.057 12.15,20.462 cw(c12.113,20.462) 12.139,20.436 ccw(c12.354,20.221) 12.05,20.221 12.05,19.22 ccw(c12.787,19.22) 12.266,18.699 12.282,18.682 cw(c12.24,18.64) 12.3,18.64 12.3,15.96 cw(c12.24,15.96) 12.24,15.9 11.16,15.9 cw(c11.16,15.96) 11.1,15.96 11.1,21 ccw(c10.8,21) 10.8,21.3 8.76,21.3 cw(c8.76,21.36) 8.7,21.36
Mid 1 (GND):
  pour cut-out: 0,12 ccw(c0,0) -12,0 ccw(c0,0) 0,-12 ccw(c0,0) 12,0 ccw(c0,0)
  region net GND: -13,13 ccw(c-13,12.5) -13.5,12.5 -13.5,10.5 ccw(c-13,10.5) -13,10 -10,10 ccw(c-10,10.5) -9.5,10.5 -9.5,12.5 ccw(c-10,12.5) -10,13
Mid 2 (PWR):
  pour cut-out: 0,12 ccw(c0,0) -12,0 ccw(c0,0) 0,-12 ccw(c0,0) 12,0 ccw(c0,0)
  region net GND: -13,13 ccw(c-13,12.5) -13.5,12.5 -13.5,10.5 ccw(c-13,10.5) -13,10 -10,10 ccw(c-10,10.5) -9.5,10.5 -9.5,12.5 ccw(c-10,12.5) -10,13
Bottom Layer:
  pour cut-out: 0,12 ccw(c0,0) -12,0 ccw(c0,0) 0,-12 ccw(c0,0) 12,0 ccw(c0,0)
  region net GND: -13,13 ccw(c-13,12.5) -13.5,12.5 -13.5,10.5 ccw(c-13,10.5) -13,10 -10,10 ccw(c-10,10.5) -9.5,10.5 -9.5,12.5 ccw(c-10,12.5) -10,13

## Silkscreen, mask and mechanical layers (free items; w line width, h text height)
Top Overlay:
  text "+" at -2.111,25.848 h10
Bottom Overlay:
  text "-" at 1.217,-31.319 h10
Board:
  circle w0.1: c0,0 r39

## Dimensions
0,0 to 14,0 on Dimensions
27.577,27.577 to 32,-31 on Dimensions

## Text inside footprints (layer, text, board x,y; h text height)
BAT1: Board "CUTOUT" at -10.999,-1.922 h6
?: Top Overlay "JLCJLCJLCJLC" at -6.312,-37.641 h2